# Altium PCB MU_MP_39_V1_ASMB.PcbDoc (part 14 of 15)
Units mm, origin at the board's own origin, x right, y up, seen from the top; angles counter-clockwise.
Board outline 133 x 94 mm, 8 copper layers (Top Layer, GND_1, POWER_1, POWER_2, GND_2, Inner_Layer, GND_3, Bottom Layer), stack 1.468 mm thick; 934 components, 729 nets, 4006 pads, 2645 vias.
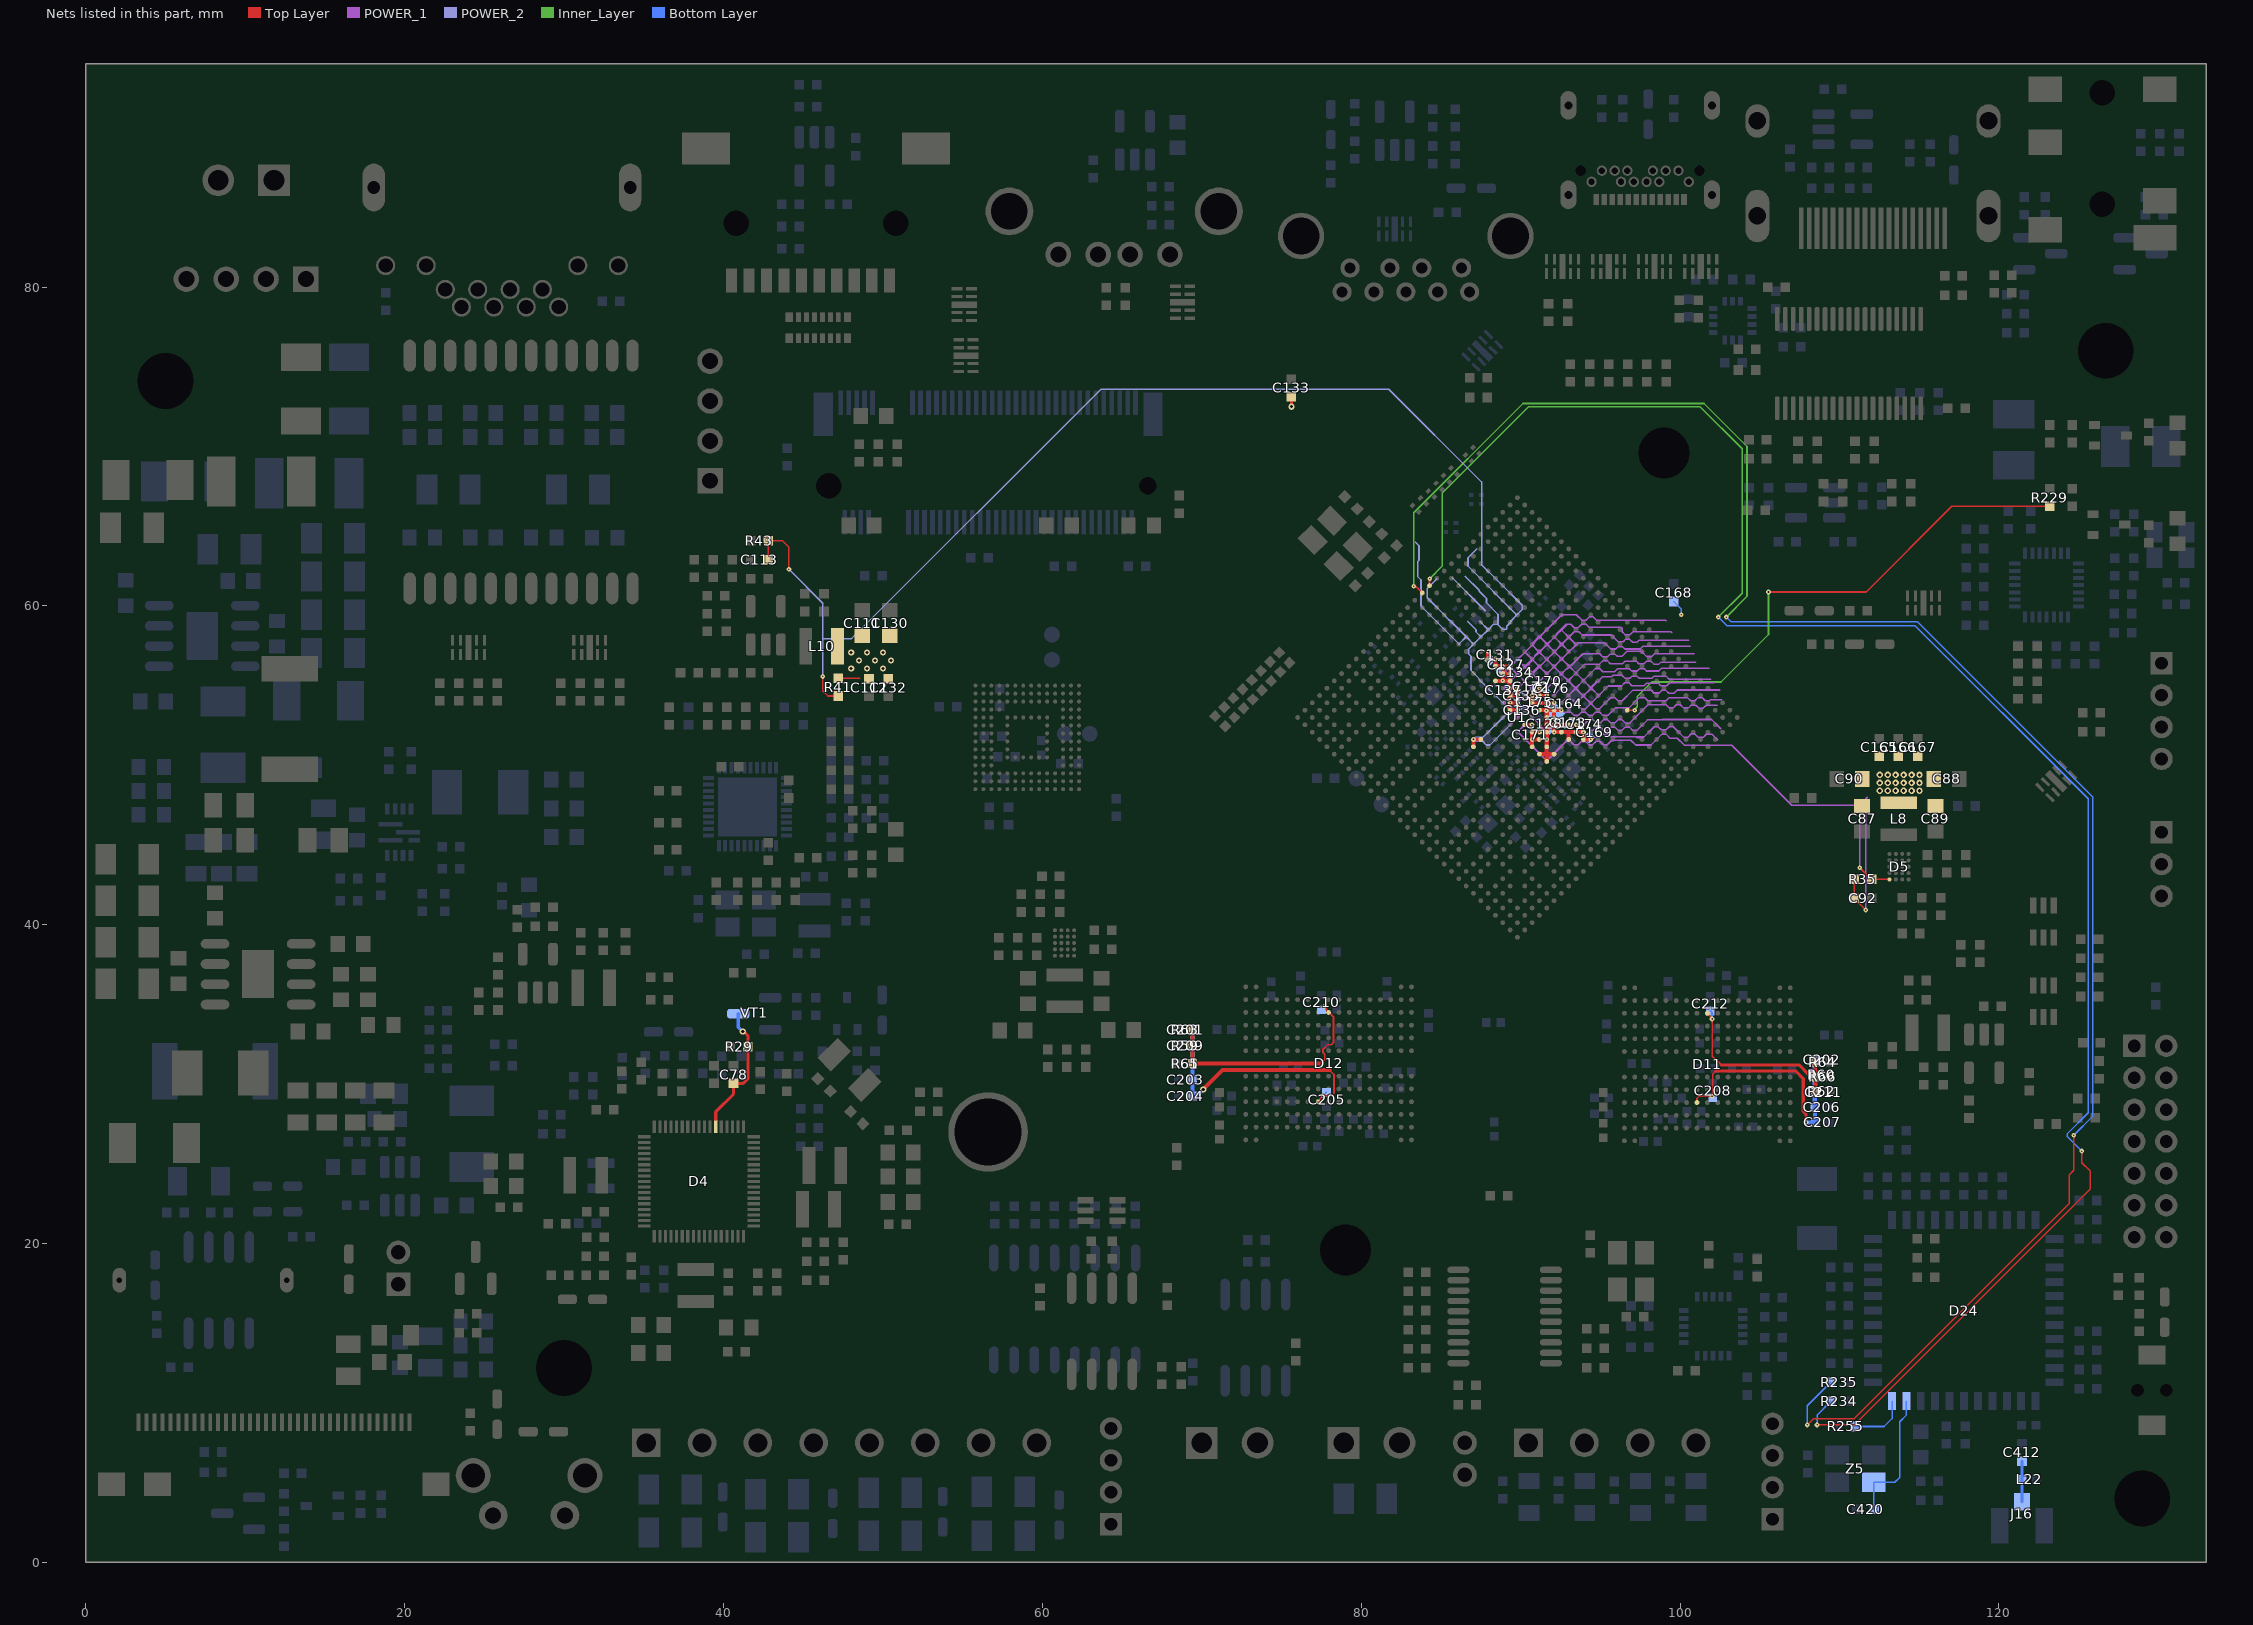
[diagram p20: the nets of this part, all layers, seen from the top]

## Via types
v1: diameter 0.3, hole 0.1, Top Layer to Bottom Layer, tented both sides, 1670 vias
v2: diameter 0.4, hole 0.2, Top Layer to Bottom Layer, tented both sides, 843 vias
v3: diameter 0.6, hole 0.3, Top Layer to Bottom Layer, tented both sides, 132 vias

## Nets (pads, with @x,y where several pads share a name; then routed paths per layer and width w, separated by ;. In a path a pad name is that pad's centre, name@x,y a point inside that pad or via, vN(x,y) a via of type N, cw(c..) or ccw(c..) an arc to the next point about the centre after c; other vN are vias at no path point) (continued)
VDD_GPU: C87.2 C88.2 C89.2 C90.2 C92.1 C128.1 C164.2 C165.1 C166.1 C167.1 C168.1 C169.1 C170.1 C171.1 C172.1 C173.1 C174.1 C175.1 C176.1 L8.1 R35.2 U1.R11 U1.R12 U1.R13 U1.T11 U1.T12 U1.T13 U1.T14 U1.U13 U1.V11 U1.V12 U1.V13 U1.V14 U1.V15 U1.V16 U1.W10 U1.W11 U1.W12 U1.W14 U1.W15 U1.W16 | length 216.2
  Top Layer w0.1: R35.2@110.925,42.85 C92.1@110.925,41.65 111.175,41.4 v1(111.65,40.925)
  Top Layer w0.254: U1.R13@90.719,51.162 90.72,51.162 90.72,51.622 v1(90.724,51.625) ; v1@90.72,51.622 90.719,51.623 U1.T14@90.719,52.081 91.178,52.081 v1(91.18,52.082) 91.181,52.081 U1.U13@91.638,52.081 ; v1@90.722,51.621 U1.T13@91.179,51.621 ; U1.R12@91.179,50.702 91.629,50.702 ; U1.V15@91.179,53.46 v1@91.638,53.46 ; v1@91.181,53.919 U1.W15@91.638,53.919 ; v1(91.18,53.92) 90.72,53.92 v1(90.72,54.38) 90.721,54.379 U1.W16@91.179,54.379 ; v1(91.18,54.839) v1(91.18,54.839) U1.W16@91.179,54.379 ; U1.R11@91.638,50.242 91.639,50.692 91.629,50.702 ; v1(91.639,51.623) U1.T12@91.638,51.162 91.629,51.152 91.629,50.702 ; v1(91.639,51.623) U1.U13@91.638,52.081 ; v1@91.639,52.541 U1.U13@91.638,52.081 ; v1@91.639,53.462 U1.W15@91.638,53.919 ; v1(91.639,54.387) 91.63,54.379 U1.W16@91.179,54.379 ; v1(92.079,52.97) 92.079,52.982 92.098,53.001 U1.W14@92.098,53.46 ; U1.T11@92.098,50.702 91.629,50.702 ; v1(92.099,52.082) 92.1,52.081 93.017,52.081 ; v1(92.099,52.082) U1.V13@92.098,52.54 ; v1(92.1,53.925) 92.095,53.92 91.64,53.92 U1.W15@91.638,53.919 ; v1(92.55,53.45) 92.538,53.45 92.528,53.46 U1.W14@92.098,53.46 ; U1.V11@93.017,51.621 93.017,52.081 ; v1(93.478,52.542) 93.476,52.54 U1.W12@93.017,52.54 93.016,52.542 v1(92.558,52.542) 92.557,52.54 U1.V13@92.098,52.54 ; v1(94.397,51.623) 94.395,51.621 U1.W10@93.937,51.621 v1(93.937,52.082) 93.936,52.081 93.017,52.081 ; U1.V13@92.098,52.54 91.641,52.54 v1(91.639,52.542) 91.639,53.46 91.641,53.46 U1.W14@92.098,53.46
  POWER_1 w0.1: 89.375,52.575 89.813,53.013 ; 89.813,53.938 91.25,55.375 ; 90.675,54.825 90.675,54.85 90.261,55.264 ; 90.85,53.825 90.625,53.825 90.275,53.475 ; 91.1,56.2 90.725,55.825 90.725,55.8 ; 91.433,55.517 91.291,55.375 91.225,55.375 91.15,55.3 90.724,55.727 ; 91.433,55.517 91.645,55.73 ; 91.45,52.225 91.45,52.297 90.872,52.876 90.872,52.878 90.275,53.475 ; 91.607,54.8 91.624,54.8 92.1,55.275 ; 92.052,54.369 92.529,54.846 ; 92.5,53.875 93,54.375 ; 92.714,53.325 93.154,53.325 93.329,53.15 93.645,53.15 93.82,53.325 94.063,53.325 94.238,53.15 94.523,53.15 94.698,53.325 94.963,53.325 95.138,53.15 95.5,53.15 95.95,53.6 96.798,53.6 97.448,54.25 97.779,54.25 97.979,54.05 99.119,54.05 99.319,54.25 100.47,54.25 100.67,54.05 100.925,54.05 101.125,54.25 101.389,54.25 101.589,54.05 101.841,54.05 101.916,54.125 102.6,54.125 ; 92.975,53.5 93.092,53.5 93.484,53.891 ; 93.65,52.35 94.25,51.75 94.943,51.75 95.143,51.95 95.483,51.95 95.651,51.782 97.25,51.782 ; 93.9,52.65 94.081,52.65 94.306,52.875 94.523,52.875 94.723,52.675 95.007,52.675 95.207,52.875 95.433,52.875 95.633,52.675 95.916,52.675 96.116,52.875 96.341,52.875 96.566,52.65 96.838,52.65 97.988,53.8 99.117,53.8 99.317,53.6 99.571,53.6 99.771,53.8 100.012,53.8 100.212,53.6 100.525,53.6 100.694,53.769 100.992,53.769 101.186,53.575 101.439,53.575 101.639,53.775 102.325,53.775 ; 94.375,52.2 94.545,52.2 94.77,52.425 94.974,52.425 95.199,52.2 95.452,52.2 95.652,52.4 95.908,52.4 96.108,52.2 96.366,52.2 96.566,52.4 96.825,52.4 97.025,52.2 97.307,52.2 97.957,52.85 98.851,52.85 98.876,52.875 101.975,52.875 102.549,52.301 ; 94.834,55.241 94.817,55.225 ; 99.125,59.075 99.095,59.105 94.762,59.105 94.542,59.325 94.322,59.325 94.097,59.1 93.848,59.1 93.498,59.45 92.584,59.45 91.204,58.071 ; 99.475,58.325 99.425,58.375 97.048,58.375 96.873,58.2 96.55,58.2 96.375,58.375 96.375,58.591 96.316,58.65 94.298,58.65 94.098,58.85 93.83,58.85 93.605,58.625 93.368,58.625 93.143,58.85 92.928,58.85 ; 100.55,57.85 97.425,57.85 97.3,57.725 97.026,57.725 96.854,57.897 96.57,57.897 96.43,57.756 96.111,57.756 95.692,58.175 93.854,58.175 93.654,58.375 93.372,58.375 93.024,58.027 ; 100.625,57.475 100.622,57.472 97.675,57.472 97.5,57.297 96.535,57.297 96.394,57.437 96.111,57.437 95.97,57.297 95.651,57.297 95.248,57.7 93.615,57.7 93.483,57.567 ; 100.879,57 98.395,57 98.22,56.825 97.9,56.825 97.575,57.15 96.672,57.15 96.359,56.837 96.058,56.837 95.917,56.978 95.616,56.978 95.438,56.8 95.158,56.8 94.958,57 93.9,57 93.08,56.18 ; 100.975,56.475 98.8,56.475 98.675,56.35 98.365,56.35 98.197,56.518 97.878,56.518 97.738,56.378 97.419,56.378 97.278,56.518 96.535,56.518 96.394,56.378 95.622,56.378 95.45,56.55 95.153,56.55 94.953,56.35 94.034,56.35 93.471,55.788 ; 101.819,56.1 98.847,56.1 98.666,55.918 97.896,55.918 97.755,56.058 97.454,56.058 97.313,55.918 96.959,55.918 96.819,56.058 96.073,56.058 95.89,55.875 95.16,55.875 94.96,56.075 94.7,56.075 93.942,55.317 ; 101.913,55.4 99.315,55.4 99.116,55.599 98.382,55.599 98.241,55.458 97.436,55.458 97.296,55.599 96.994,55.599 96.854,55.458 96.542,55.458 96.35,55.65 95.803,55.65 95.703,55.55 95.142,55.55 94.817,55.225 ; 102.15,55.175 99.35,55.175 99.174,54.999 98.797,54.999 98.657,55.139 97.878,55.139 97.738,54.999 96.976,54.999 96.8,55.175 96.535,55.175 96.335,54.975 95.487,54.975 94.881,54.369 ; 102.35,51.6 102,51.95 101.652,51.95 101.452,51.75 101.136,51.75 100.911,51.975 100.705,51.975 100.48,51.75 100.243,51.75 99.568,52.425 99.325,52.425 99.125,52.225 98.814,52.225 98.614,52.425 98.381,52.425 97.738,51.782 ; 102.475,54.725 99.825,54.725 99.625,54.525 99.289,54.525 99.114,54.7 98.853,54.7 98.692,54.539 98.4,54.539 ; v1(111.65,40.925) 111.65,47.9 111.75,48 ; 89.338,53.488 89.025,53.8 89.025,54.028 89.374,54.377 ; 89.338,53.488 89.813,53.013 ; 89.338,53.488 89.8,53.95 ; 89.364,55.286 89.789,55.711 ; 89.364,55.286 89.824,54.827 ; 89.364,55.286 88.978,54.9 88.978,54.772 89.374,54.377 ; 89.364,55.286 88.975,55.675 88.975,55.8 89.375,56.2 ; 89.374,54.377 89.8,53.95 ; 89.374,54.377 89.824,54.827 ; 89.375,56.2 89.375,56.125 89.789,55.711 ; 89.375,56.2 89.825,56.65 ; 89.789,55.711 89.901,55.599 89.926,55.599 90.261,55.264 ; 89.789,55.711 90.261,56.183 ; 89.8,53.95 90.275,53.475 ; 89.813,53.013 90.275,53.475 ; 89.824,54.827 90.261,55.264 ; 89.825,56.65 89.85,56.65 89.96,56.54 89.96,56.485 90.261,56.183 ; 89.825,56.65 90.275,57.1 ; 90.261,55.264 90.724,55.727 ; 90.261,56.183 90.297,56.147 ; 90.261,56.183 90.726,56.649 ; 90.275,57.1 90.725,57.55 ; 90.275,57.1 90.726,56.649 ; 90.297,56.147 90.337,56.188 ; 90.297,56.147 90.552,55.892 90.558,55.892 90.724,55.727 ; 90.337,56.188 90.763,56.613 ; 90.337,56.188 90.725,55.8 ; 90.724,55.727 90.725,55.728 ; 90.725,55.728 91.186,56.189 ; 90.725,55.728 90.725,55.8 ; 90.725,57.55 90.775,57.6 ; 90.725,57.55 91.176,57.099 ; 90.726,56.649 90.876,56.799 ; 90.726,56.649 90.763,56.613 ; 90.763,56.613 91.186,56.189 ; 90.775,57.6 90.775,57.7 91.146,58.071 91.204,58.071 ; 90.775,57.6 90.88,57.705 90.88,57.746 91.204,58.071 ; 90.876,56.799 91.114,57.036 ; 90.876,56.799 90.876,56.876 91.036,57.036 91.114,57.036 ; 91.114,57.036 91.176,57.099 ; 91.176,57.099 91.676,57.599 ; 91.176,57.099 91.299,56.976 91.306,56.976 91.639,56.642 ; 91.186,56.189 91.639,56.642 ; 91.186,56.189 91.633,55.742 91.658,55.742 ; 91.204,58.071 91.676,57.599 ; 91.639,56.642 91.939,56.342 91.939,56.336 92.095,56.18 ; 91.639,56.642 92.128,57.131 ; 91.645,55.73 91.658,55.742 ; 91.645,55.73 92.1,55.275 ; 91.658,55.742 92.095,56.18 ; 91.676,57.599 91.799,57.476 91.799,57.46 92.128,57.131 ; 91.676,57.599 92.126,58.049 ; 92.095,56.18 92.098,56.183 ; 92.098,56.183 92.553,55.729 ; 92.098,56.183 92.587,56.672 ; 92.1,55.275 92.529,54.846 ; 92.1,55.275 92.553,55.729 ; 92.126,58.049 92.586,57.589 ; 92.126,58.049 92.25,58.172 ; 92.128,57.131 92.586,57.589 ; 92.128,57.131 92.587,56.672 ; 92.25,58.172 92.589,58.511 ; 92.25,58.172 92.25,58.25 92.85,58.85 92.928,58.85 ; 92.529,54.846 92.983,55.299 ; 92.529,54.846 93,54.375 ; 92.553,55.729 92.983,55.299 ; 92.553,55.729 92.893,56.069 92.969,56.069 93.08,56.18 ; 92.586,57.589 93.033,57.142 93.058,57.142 ; 92.586,57.589 93.024,58.027 ; 92.587,56.672 93.08,56.18 ; 92.587,56.672 93.058,57.142 ; 92.589,58.511 92.928,58.85 ; 92.589,58.511 92.589,58.461 93.024,58.027 ; 92.983,55.299 93.471,55.788 ; 92.983,55.299 93.453,54.828 ; 93,54.375 93.453,54.828 ; 93,54.375 93.484,53.891 ; 93.024,58.027 93.483,57.567 ; 93.058,57.142 93.483,57.567 ; 93.08,56.18 93.471,55.788 ; 93.453,54.828 93.942,55.317 ; 93.453,54.828 93.937,54.345 ; 93.471,55.788 93.942,55.317 ; 93.484,53.891 93.85,53.525 94.037,53.525 94.393,53.882 ; 93.484,53.891 93.937,54.345 ; 93.937,54.345 94.426,54.833 ; 93.937,54.345 94.393,53.889 94.393,53.882 ; 93.942,55.317 94.426,54.833 ; 94.393,53.882 94.881,54.369 ; 94.393,53.882 94.725,53.55 94.95,53.55 95.65,54.25 95.905,54.25 96.105,54.05 96.375,54.05 97.025,54.7 98.177,54.7 ; 94.426,54.833 94.509,54.916 ; 94.426,54.833 94.881,54.378 94.881,54.369 ; 94.509,54.916 94.817,55.225 ; 94.509,54.916 94.509,55.009 94.725,55.225 94.817,55.225 ; 97.25,51.782 97.738,51.782 ; 97.25,51.782 97.307,51.725 97.681,51.725 97.738,51.782 ; 98.177,54.7 98.239,54.7 98.4,54.539 ; 98.177,54.7 98.338,54.539 98.4,54.539
  Bottom Layer w0.1: C168.1@99.6,60.275 100.075,59.8 v1(100.075,59.45)
  other v1: 91.618,53.422
  other v2: 112.525,48.4 113.025,48.4 113.525,48.4 114.025,48.4 114.525,48.4 115.025,48.4 112.525,48.9 113.025,48.9 113.525,48.9 114.025,48.9 114.525,48.9 115.025,48.9 112.525,49.4 113.025,49.4 113.525,49.4 114.025,49.4 114.525,49.4 115.025,49.4
VDD_GPU_FB: D5.A4 R35.1 U1.T15 | length 32.8
  Top Layer w0.1: v1(111.275,43.575) 111.75,43.1 R35.1@112,42.85 ; R35.1@112.025,42.85 113.13,42.85 D5.A4@113.139,42.841
  Top Layer w0.254: U1.T15@90.26,52.54 90.715,52.54 v1(90.716,52.542)
  POWER_1 w0.1: v1(90.716,52.542) 90.714,52.543 90.257,52.543 89.915,52.201 89.915,52.003 91.509,50.41 91.77,50.41 92.399,51.039 92.861,51.501 93.127,51.501 93.331,51.298 93.61,51.298 93.801,51.489 94.08,51.489 94.296,51.273 94.499,51.273 94.745,51.518 94.965,51.518 95.189,51.294 95.435,51.294 95.718,51.578 96.912,51.578 97.217,51.273 98.182,51.273 98.868,51.959 99.122,51.959 99.376,51.705 99.833,51.705 100.278,51.26 103.24,51.26 107,47.5 111,47.5 111.275,47.225 v1(111.275,43.575)
VDD_LOG: C111.2 C112.1 C113.1 C127.1 C130.2 C131.1 C132.1 C133.1 C134.1 C135.1 C136.1 C137.1 L10.1 R41.1 R41.2 R43.2 U1.L17 U1.M17 U1.T17 U1.U17 U1.U18 U1.U20 U1.V18 U1.V19 U1.V20 U1.V21 U1.V22 U1.W20 | length 135.4
  Top Layer w0.1: C113.1@42.8,62.9 R43.2@42.8,64.1 43.675,64.1 44.1,63.675 v1(44.1,62.3) ; v1(46.225,55.575) 46.225,54.675 46.55,54.35 R41.1@47.2,54.35 ; R41.2@47.2,55.45 48.525,55.45
  Top Layer w0.2: v2(75.625,72.5) C133.1@75.625,73.125
  Top Layer w0.254: U1.L17@87.042,51.162 87.042,51.621 v1(87.044,51.623) 87.045,51.621 U1.M17@87.502,51.621 ; v1(87.963,57.137) 87.963,56.678 U1.V22@87.962,56.677 v1@88.422,56.677 ; U1.U20@88.421,55.298 88.422,55.299 v1(88.882,55.299) ; v1@88.421,56.676 U1.V21@88.421,56.217 88.858,56.217 v1(88.882,56.193) ; U1.V20@88.881,55.758 88.905,55.733 v1(89.342,55.733) ; U1.V20@88.881,55.758 88.881,55.3 v1(88.882,55.299) ; U1.V20@88.881,55.758 88.882,55.759 v1(88.882,56.193) ; v1(88.882,55.299) U1.V19@89.34,55.298 U1.V19@89.34,55.298 ; v1(88.882,56.193) 89.316,56.193 U1.W20@89.34,56.217 89.342,56.216 v1(89.342,55.733) ; U1.U18@89.34,54.379 89.342,54.38 v1(89.801,54.38) ; U1.U18@89.34,54.379 89.34,53.922 v1(89.342,53.92) ; U1.U18@89.34,54.379 89.34,54.838 v1(89.342,54.839) ; U1.V19@89.34,55.298 89.34,54.841 v1(89.342,54.839) ; U1.V19@89.34,55.298 89.342,55.299 v1(89.342,55.733) ; v1(89.342,53.92) 89.799,53.92 U1.U17@89.8,53.919 ; v1(89.342,53.92) 89.342,53.461 U1.T17@89.34,53.46 89.8,53.46 v1(89.801,53.461) 89.8,53.462 U1.U17@89.8,53.919 ; v1(89.342,54.839) v1(89.342,54.839) U1.V18@89.8,54.838 89.8,54.381 v1(89.801,54.38) ; U1.U17@89.8,53.919 89.8,54.379 v1(89.801,54.38)
  POWER_2 w0.1: v1(44.1,62.3) 46.225,60.175 46.225,57.95 v1(46.225,55.575) ; 83.4,64 83.625,63.775 83.625,62.863 83.55,62.788 83.55,61.876 83.556,61.869 83.556,61.817 83.75,61.623 83.75,59.997 86.136,57.611 86.588,58.063 ; 84.749,61.7 84.138,61.088 84.138,60.513 85.352,59.298 85.352,59.276 85.528,59.1 85.551,59.1 86.588,58.063 ; 85.7,61.775 87.78,59.695 ; 86.533,61.842 87.398,60.977 87.398,60.926 87.681,60.642 87.857,60.466 87.857,60.194 88.584,59.467 88.584,59.259 88.582,59.257 88.582,58.851 88.301,58.851 87.963,58.513 ; 86.675,59.025 87.2,58.5 87.2,58.37 87.51,58.06 ; 87.45,59.025 87.963,58.513 ; 88.549,58.851 88.875,58.525 89.129,58.525 89.129,58.728 89.376,58.975 ; 89.25,53.55 88.925,53.875 ; 90.05,53.475 90.05,53.534 90.137,53.62 90.385,53.62 90.732,53.968 90.62,54.08 90.571,54.08 89.854,54.796 89.771,54.796 88.925,53.95 88.925,53.875 ; 86.588,58.063 87.05,57.6 ; 87.05,57.6 86.732,57.282 86.732,56.994 86.884,56.842 86.884,55.953 87.395,55.443 87.395,55.405 88.925,53.875 ; 87.05,57.6 87.51,58.06 ; 87.51,58.06 87.963,58.513
  POWER_2 w0.102: 46.225,57.95 46.226,57.951 48.026,57.951 63.675,73.6 81.725,73.6 87.55,67.775 87.55,62.591 88.553,61.588 88.737,61.403 90.102,60.039 90.102,59.77 89.766,59.434 ; 87.25,63.575 86.7,63.025 86.7,62.5 89.766,59.434 ; 89.376,58.975 89.376,59.043 89.766,59.434 ; v1(87.044,51.623) 87.165,51.501 87.616,51.501 87.844,51.273 88.073,51.273 89.801,53.001 v1(89.801,53.461) 89.346,53.461 87.641,51.755 87.177,51.755 v1(87.044,51.623)
  other v1: 88.423,56.678
  other v2: 48,56.075 49,56.075 50,56.075 48.5,56.575 49.5,56.575 50.5,56.575 48,57.075 49,57.075 50,57.075
VPP_OTP: C78.2 D4.6 R29.2 VT1.3 | length 8.6
  Top Layer w0.2: D4.6@39.507,27.33 39.507,28.257 40.625,29.375 C78.2@40.625,30.05 41.225,30.05 41.525,30.35 41.525,33.05 41.313,33.262 41.238,33.262 v2(41.2,33.3)
  Bottom Layer w0.2: VT1.3@40.925,34.425 40.925,33.575 v2(41.2,33.3)
VREFCA_DDR0: C202.2 C206.1 C207.2 C208.2 D11.H4 R60.1 R62.2 | length 16
  Top Layer w0.11: D11.H4@101.063,28.845 101.063,28.921 101.063,29.109 101.208,29.255 102.003,29.255 v1(102.013,29.245) ; v1@101.995,29.255 102.049,29.308 102.049,29.404 102.05,29.405 102.05,30.633 102.246,30.829
  Top Layer w0.2: 102.246,30.829 107.246,30.829 107.725,30.35 107.725,28.297 107.9,28.122 v1(107.9,27.6)
  Bottom Layer w0.254: v1(107.9,27.6) C207.2@108.475,27.6 ; C202.2@108.45,31.525 R60.1@108.45,30.575 R62.2@108.45,29.55 C206.1@108.45,28.55 108.469,28.402 C207.2@108.469,27.606
VREFCA_DDR1: C201.2 C203.1 C204.2 C205.2 D12.H4 R59.1 R61.2 | length 16.6
  Top Layer w0.11: D12.H4@77.305,28.901 77.305,28.915 77.45,29.06 77.45,29.121 77.599,29.269 v1(77.599,29.28) ; v1@77.604,29.275 78.136,29.275 78.294,29.432 78.294,30.601 78.014,30.88
  Top Layer w0.254: v2(70.09,29.661) 71.309,30.88 78.014,30.88
  Bottom Layer w0.11: v1(77.599,29.28) 77.599,29.289 C205.2@77.811,29.501
  Bottom Layer w0.254: C201.2@69.422,33.42 R59.1@69.422,32.404 R61.2@69.422,31.287 C204.2@69.422,29.255 69.683,29.255 v2(70.09,29.661)
VREFDQ_DDR0: C211.2 C212.2 D11.J11 R64.1 R66.2 | length 12.3
  Top Layer w0.11: D11.J11@101.713,34.445 101.713,34.437 102.012,34.138 v1(102.012,34.089) 102.025,34.076 102.025,31.762 102.576,31.21
  Top Layer w0.2: 102.576,31.21 107.465,31.21 108.075,30.6 108.35,30.6 R66.2@108.5,30.45 ; C211.2@108.513,29.513 108.513,30.438 R66.2@108.5,30.45 ; R64.1@108.512,31.373 108.506,31.367 108.506,30.533 108.506,30.456 R66.2@108.5,30.45
  Bottom Layer w0.11: C212.2@101.89,34.596 102.012,34.474 v1(102.012,34.089)
VREFDQ_DDR1: C209.2 C210.2 D12.J11 R63.1 R65.2 | length 14.6
  Top Layer w0.11: 77.477,31.287 77.71,31.519 77.71,31.867 77.61,31.967 77.61,32.199 77.887,32.477 78.116,32.477 78.268,32.629 78.268,34.187 D12.J11@77.955,34.501 77.955,34.531 77.825,34.66 77.825,34.716 77.675,34.866 v1(77.675,34.875)
  Top Layer w0.254: R63.1@69.422,33.42 C209.2@69.422,32.404 R65.2@69.422,31.287 77.477,31.287
WF_BT_ANT: C412.2 J16.1 L22.1 | length 2.5
  Bottom Layer w0.2: J16.1@121.45,3.8 L22.1@121.45,5.2 C412.2@121.45,6.35
WIFI_HOST_WAKE_L: R235.1 U1.V31 | length 120.7
  Top Layer w0.1: v1(107.975,8.625) 108.35,9 110.9,9 124.425,22.525 124.425,24.325 124.7,24.6 v1(124.7,26.8)
  Top Layer w0.11: v1(83.298,61.23) 83.334,61.193 83.445,61.193 U1.V31@83.825,60.814
  Inner_Layer w0.11: v1(83.298,61.23) 83.298,65.848 90.15,72.7 101.5,72.7 104.2,70 104.2,60.6 v1(102.9,59.3)
  Bottom Layer w0.1: v1(102.9,59.3) 103.198,59.002 114.898,59.002 125.9,48 125.9,37.5 125.9,28 v1(124.7,26.8) ; v1(107.975,8.625) 107.975,9.825 R235.1@109.45,11.3
WIFI_REG_ON_H: R234.1 U1.W31 | length 118.1
  Top Layer w0.1: v1(108.6,8.625) 110.925,8.625 125.725,23.425 125.725,24.55 125.2,25.075 v1(125.2,25.8)
  Top Layer w0.11: U1.W31@84.285,61.273 84.285,61.69 v1(84.295,61.701)
  Inner_Layer w0.1: v1(84.295,61.701) 85.075,62.481 85.075,67.075 90.5,72.5 101.254,72.5 103.9,69.854 103.9,60.8 v1(102.4,59.3)
  Bottom Layer w0.1: v1(102.4,59.3) 102.944,58.756 114.744,58.756 125.6,47.9 125.6,37.6 125.6,28.2 124.3,26.9 124.3,26.7 v1(125.2,25.8) ; v1(108.6,8.625) 108.6,9.25 R234.1@109.45,10.1
WIFI_XTAL_IN: C420.1 D24.10 Z5.1 | length 8.4
  Bottom Layer w0.1: C420.1@112.175,3.325 112.15,3.35 Z5.1@112.15,5.025 113.475,5.025 113.775,5.325 113.775,8.825 114.2,9.25 D24.10@114.2,10.112
WIFI_XTAL_OUT: D24.11 R255.2 | length 3.6
  Bottom Layer w0.1: R255.2@110.95,8.525 112.8,8.525 113.3,9.025 D24.11@113.3,10.112
WORK_LED: R229.2 U1.AD9 | length 33.8
  Top Layer w0.1: v1(105.55,60.875) 111.675,60.875 117.05,66.25 R229.2@123.2,66.25
  Top Layer w0.11: U1.AD9@96.694,53.46 v1@97.153,53.46
  Inner_Layer w0.1: v1(97.154,53.461) 97.154,53.515 97.313,53.674 97.313,54.313 98.225,55.225 102.575,55.225 105.55,58.2 v1(105.55,60.875)
pads on no net: BT2. D1.2 D1.28 D2.4 D2.12 D3. D4.47 D4.48 D4.54 D7. D8. D9.7 D9.28 D10. D11.A1 D11.A2 D11.A12 D11.A13 D11.B1 D11.B13 D11.C4 D11.K9 D11.R3 D11.T1 D11.T13 D11.U1 D11.U2 D11.U12 D11.U13 D12.A1 D12.A2 D12.A12 D12.A13 D12.B1 D12.B13 D12.C4 D12.K9 D12.R3 D12.T1 D12.T13 D12.U1 D12.U2 D12.U12 D12.U13 D13.A1 D13.A2 D13.A7 D13.A8 D13.A9 D13.A10 D13.A11 D13.A12 D13.A13 D13.A14 D13.B1 D13.B7 D13.B8 D13.B9 D13.B10 D13.B11 D13.B12 D13.B13 D13.B14 D13.C1 D13.C3 D13.C5 D13.C7 D13.C8 D13.C9 D13.C10 D13.C11 D13.C12 D13.C13 D13.C14 D13.D1 D13.D2 D13.D3 D13.D4 D13.D12 D13.D13 D13.D14 D13.E1 D13.E2 D13.E3 D13.E5 D13.E8 D13.E9 D13.E10 D13.E12 D13.E13 D13.E14 D13.F1 D13.F2 D13.F3 D13.F10 D13.F12 D13.F13 D13.F14 D13.G1 D13.G2 D13.G3 D13.G10 D13.G12 D13.G13 D13.G14 D13.H1 D13.H2 D13.H3 D13.H12 D13.H13 D13.H14 D13.J1 D13.J2 D13.J3 D13.J12 D13.J13 D13.J14 D13.K1 D13.K2 D13.K3 D13.K6 D13.K7 D13.K10 D13.K12 D13.K13 D13.K14 D13.L1 D13.L2 D13.L3 D13.L12 D13.L13 D13.L14 D13.M1 D13.M2 D13.M3 D13.M7 D13.M8 D13.M9 D13.M10 D13.M11 D13.M12 D13.M13 D13.M14 D13.N1 D13.N3 D13.N6 D13.N7 D13.N8 D13.N9 D13.N10 D13.N11 D13.N12 D13.N13 D13.N14 D13.P1 D13.P2 D13.P7 D13.P8 D13.P9 D13.P10 D13.P11 D13.P12 D13.P13 D13.P14 D14. D15. D16. D17.3 D17.8 D18. D23.6 D23.10 D24.4 D24.5 D24.8 D24.30 D24.32 D24.35 D24.37 D24.38 D24.39 D24.40 D25.3 D25.6 D25.11 D25.12 D25.15 D26.5 D26.28 D27.28 D28.2 D28.28 D29. J1. J5.H1 J5.H2 J7. J8. J9.14 J10.6 J10.19 J10.29 J10.30 J10.35 J11. J11.4 J23.6 J23.8 J23.20 J23.22 J23.24 J23.26 J23.28 J23.30 J23.32 J23.34 J23.36 J23.40 J23.42 J23.44 J23.46 J23.48 J23.56 J23.58 J23.67 J23.68 J23.69 J23.78 J23.79 P1.13 P1.14 R80.3 R80.14 R81.11 RAD1.2 RAD1.4 TP1.1 TP2.1 TP3.1 TP4.1 U1.A3 U1.A4 U1.AA19 U1.AA20 U1.AA22 U1.AB20 U1.AB22 U1.AC12 U1.AC14 U1.AD11 U1.AD12 U1.AD14 U1.AD15 U1.AD20 U1.AD24 U1.AD25 U1.AE20 U1.AE24 U1.AE26 U1.AF11 U1.AF12 U1.AF14 U1.AF21 U1.AF25 U1.AG9 U1.AG11 U1.AG12 U1.AG14 U1.AG15 U1.AH9 U1.AH11 U1.AH12 U1.AH14 U1.AH15 U1.AH18 U1.AH20 U1.AH21 U1.AJ3 U1.AJ30 U1.AJ31 U1.AK6 U1.AK7 U1.AK8 U1.AK9 U1.AK10 U1.AK11 U1.AK12 U1.AK13 U1.AK14 U1.AK15 U1.AK27 U1.AK28 U1.AK29 U1.AK31 U1.AL6 U1.AL7 U1.AL8 U1.AL9 U1.AL10 U1.AL11 U1.AL12 U1.AL13 U1.AL14 U1.AL15 U1.AL27 U1.AL28 U1.AL29 U1.B2 U1.B3 U1.B4 U1.C1 U1.C2 U1.C3 U1.C4 U1.C5 U1.C6 U1.D1 U1.D2 U1.D3 U1.D6 U1.D12 U1.E3 U1.E8 U1.E9 U1.E11 U1.F3 U1.F4 U1.F7 U1.F9 U1.F11 U1.G6 U1.G8 U1.G11 U1.H5 U1.H6 U1.H7 U1.H30 U1.J5 U1.L5 U1.L7 U1.L25 U1.M4 U1.M5 U1.U28 VD1. VD2. VD3. VD12.4 VD14.1 VD14.2 VD15.1 VD15.2 VD16.4 VD16.5 VD23.4 VD23.5 VD30.4 VD30.5 VD37. VD37.5 VD38. VD38.5 VD41. VD41.5 VD43. VD44. VD45. VT1. VT2. VT3. VT4. VT5. VT6. VT7. VT8. VT9.